# Altium PCB M5_Display - copia.PcbDoc (part 1 of 2) (continued)
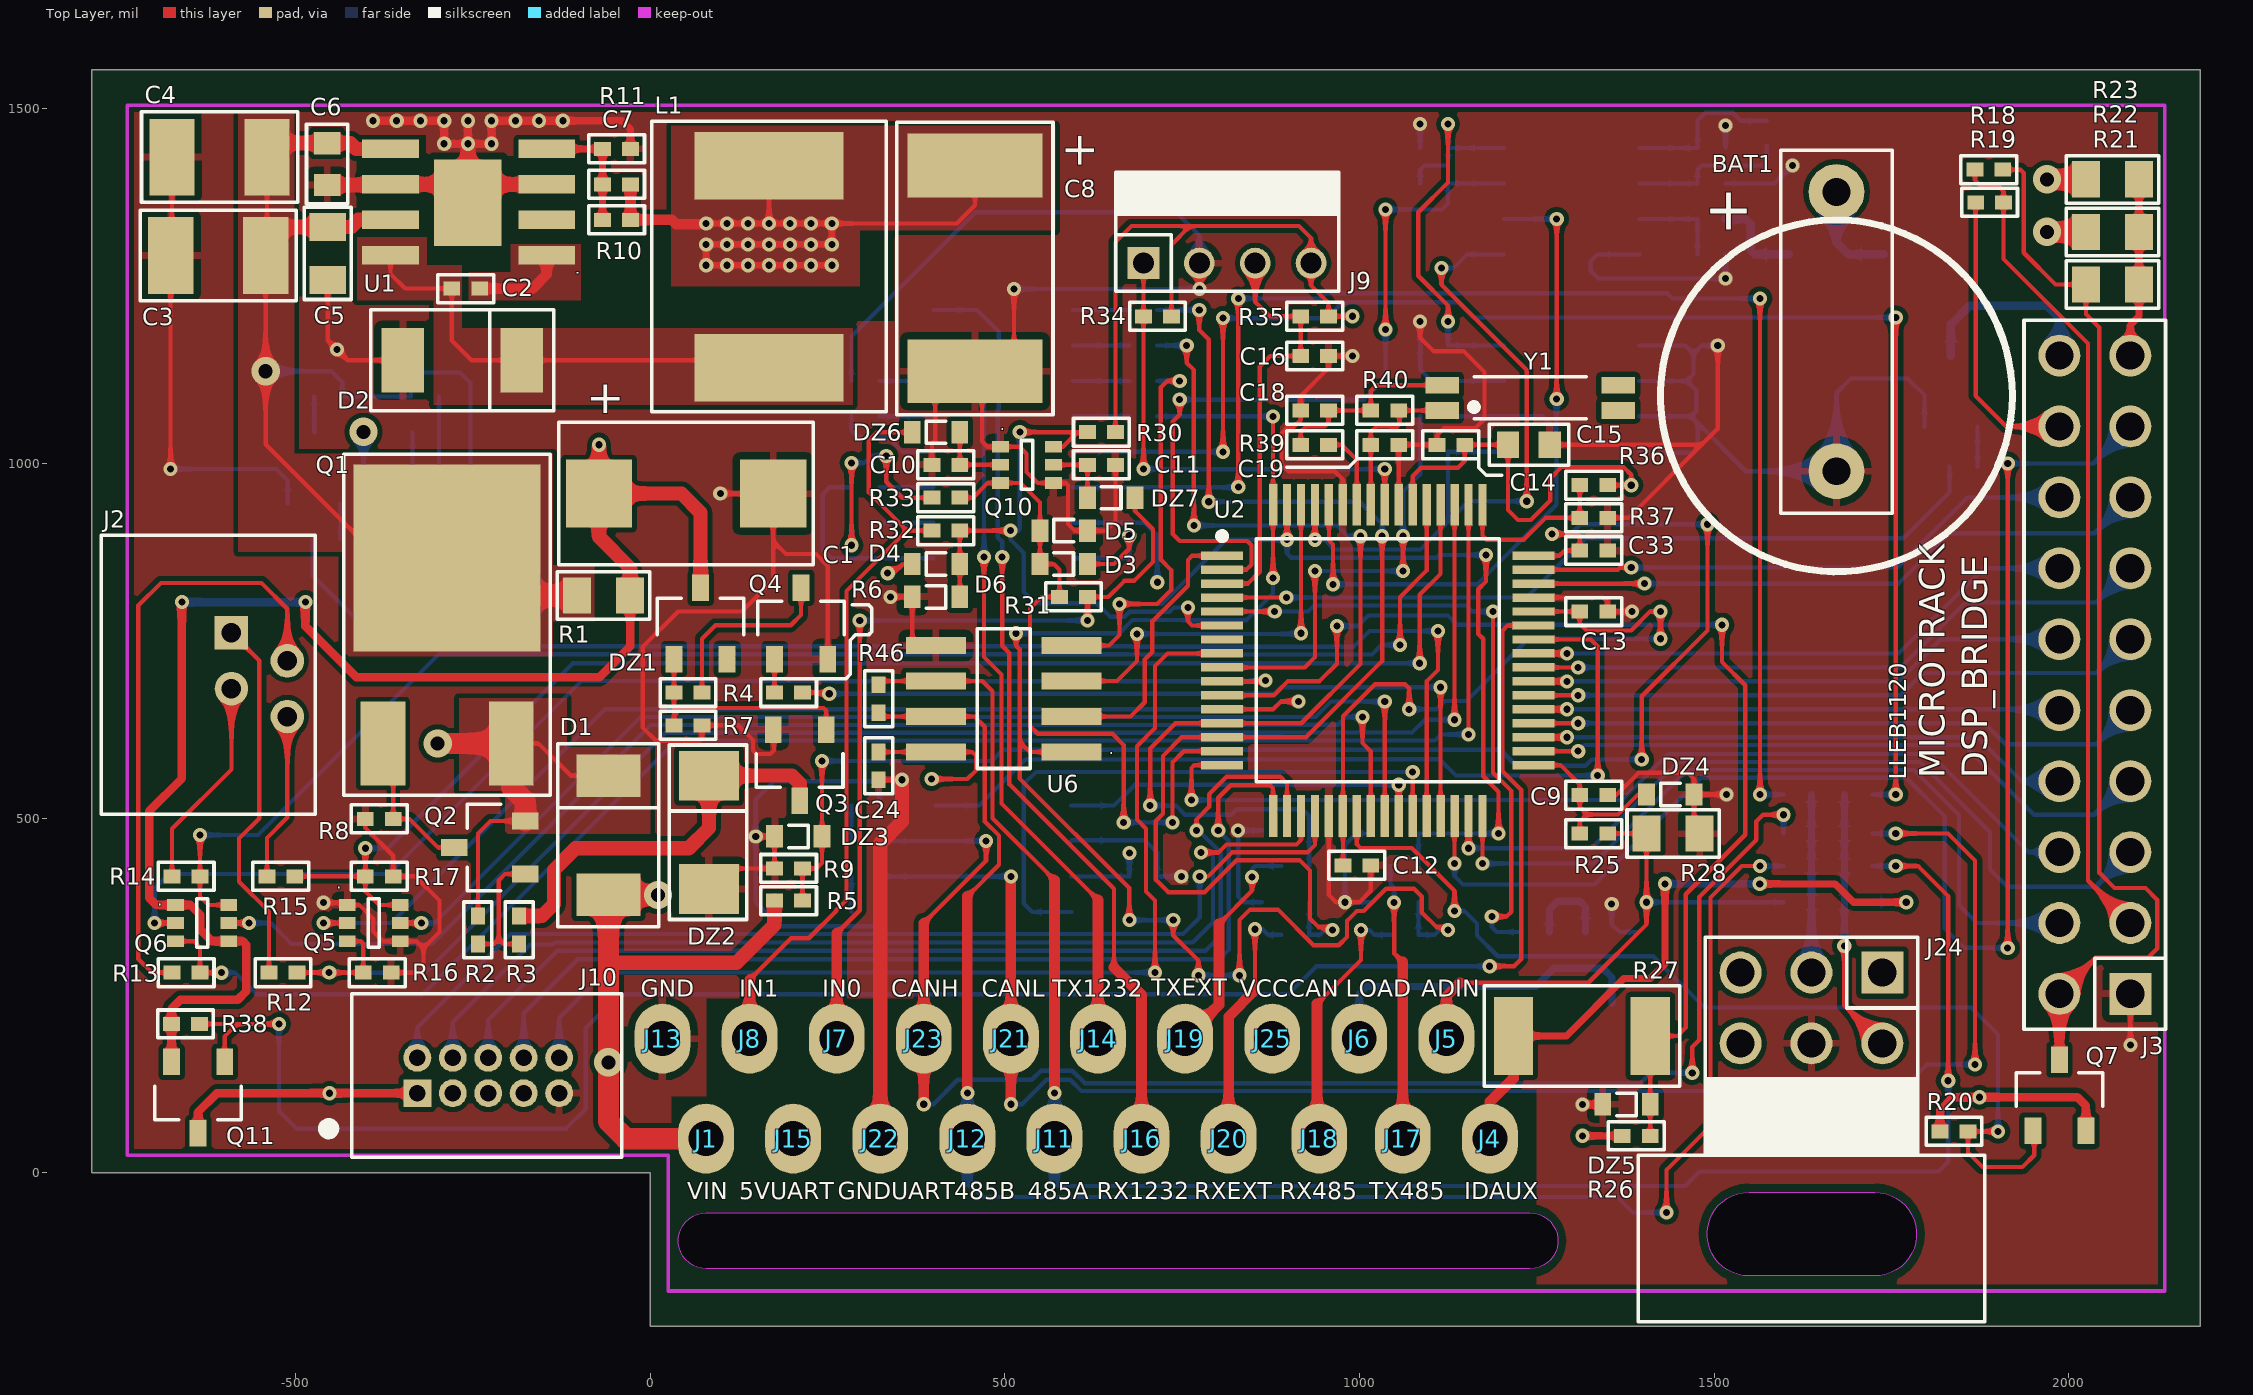
[diagram p0: Top Layer view]
## Components (designator, comment, footprint, x,y, rotation, side; value= is the part's Value field where it differs from the comment)
BAT1 "CR1220" CR1220H 1672.24,1186.02 r180 top
C1 "470uF 6.3V" 2917 50.39,957.68 r0 top
C2 "100nF" 0402 -260.19,1246.65 r180 top
C3 "10uF 63V" 1210 -609.32,1293.31 r180 top
C4 "10uF 63V" 1210 -607.35,1432.09 r180 top
C5 "68nF 63V" 0805 -454.72,1296.26 r270 top
C6 "100nF 100V" 0603 -455.71,1422.24 r270 top
C7 "1nF" 0402 -47.59,1393.65 r0 top
C8 "100uF 16V LESR" 2917P 457.68,1275.06 r270 top
C9 "1uF 6V3" 0402 1330,532.48 r0 top
C10 "100nF" 0402 416.68,998.28 r180 top
C11 "100nF" 0402 636,998.28 r0 top
C12 "100nF" 0402 996.07,433.46 r0 top
C13 "100nF" 0402 1330,791.36 r0 top
C14 "100nF" 0402 1128.6,1026.46 r180 top
C15 "10uF 6.3V" 0603 1238.6,1026.46 r0 top
C16 "1uF 6V3" 0402 936.6,1151.65 r0 top
C17 "100nF" 0402 1105,1166.54 r0 bottom
C18 "15pF 5%" 0402 936.6,1074.97 r180 top
C19 "15pF 5%" 0402 1035.44,1026.46 r0 top
C20 "100nF" 0402 1105,1444.87 r0 bottom
C21 "10pF" 0402 1496,1444.87 r0 bottom
C22 "8pF" 0402 1496,1394.87 r0 bottom
C23 "100pF 50V" 0402 1496,1294.87 r0 bottom
C24 "100nF" 0402 321.85,573.78 r270 top
C25 "100nF" 0402 695.09,866.54 r180 bottom
C26 "100nF" 0402 303.44,916.54 r0 bottom
C27 "100nF" 0402 303.44,1066.54 r0 bottom
C28 "100nF" 0402 303.44,966.54 r0 bottom
C29 "100nF" 0402 303.44,1116.54 r180 bottom
C30 "100nF" 0402 695.09,417.94 r0 bottom
C31 "560pF" 0402 303.44,517.94 r180 bottom
C32 "560pF" 0402 303.44,367.94 r180 bottom
C33 "100nF" 0402 1330,877.46 r180 top
D1 "STPS3L60U" SMBK -59.06,391.93 r90 top
D2 "STPS3L60U" SMBK -349.21,1145.67 r0 top
D3 "1N4148WT" SOD523 582.85,858.44 r0 top
D4 "1N4148WT" SOD523 402.91,858.44 r180 top
D5 "1N4148WT" SOD523 582.85,905.41 r180 top
D6 "1N4148WT" SOD523 402.91,812.01 r0 top
D7 "MBR0520L" SOD123 1672,1294.87 r180 bottom
DZ1 "4V7 1/4W" SOT23 70.87,774.61 r0 top
DZ2 "30V 2W" DO-214AC 82.68,400.2 r90 top
DZ3 "5V1 200mW" SOD523 208.66,474.41 r0 top
DZ4 "5V1 150mW" SOD523 1437.99,533.46 r180 top
DZ5 "5V1 150mW" SOD523 1376.3,96.51 r0 top
DZ6 "5V1 200mW" SOD523 402.91,1044.18 r180 top
DZ7 "5V1 200mW" SOD523 649.78,951.84 r0 top
DZ8 "5V1 200mW" SOD523 1049.4,381.53 r0 bottom
DZ9 "5V1 200mW" SOD523 1049.4,478.46 r0 bottom
DZ10 "5V1 200mW" SOD523 895.4,381.53 r0 bottom
DZ11 "5V1 200mW" SOD523 895.4,482.88 r0 bottom
J1 "VIN" PIN_CABLE#1 78.61,48.28 r270 top
J2 "2434-04-TR1U" 2434-04-TR1U -551.16,702.28 r270 top locked
J3 "2044-2x10G00RB" SIPF10_2_90 2036.61,702.28 r90 top locked
J4 "IDAUX" PIN_CABLE#1 1183.61,48.28 r270 top
J5 "ADIN" PIN_CABLE#2 876.68,189.28 r90 top
J6 "LOAD" PIN_CABLE#3 1282.61,189.28 r90 top
J7 "IN0" PIN_CABLE#4 212.61,189.28 r90 top
J8 "IN1" PIN_CABLE#5 262.79,189.28 r270 top
J9 "2111-1X4G00RB" SIP4_90_MM 813.4,1282.65 r0 top
J10 "IDC10_0.05" IDC10_0.05 -328.51,112.28 r0 top
J11 "485A" PIN_CABLE#6 1060.84,48.28 r270 top
J12 "485B" PIN_CABLE#7 1183.61,48.28 r90 top
J13 "GND" PIN_CABLE#8 876.68,189.28 r90 top
J14 "TX1232" PIN_CABLE#9 753.9,189.28 r90 top
J15 "5VUART" PIN_CABLE#1 201.39,48.28 r90 top
J16 "RX1232" PIN_CABLE#10 876.68,189.28 r90 top
J17 "TX485" PIN_CABLE#11 446.95,48.28 r90 top
J18 "RX485" PIN_CABLE#12 1549.91,48.28 r270 top
J19 "TXEXT" PIN_CABLE#13 692.5,48.28 r90 top
J20 "RXEXT" PIN_CABLE#1 815.28,48.28 r90 top
J21 "CANL" PIN_CABLE#1 508.35,189.28 r90 top
J22 "GNDUART" PIN_CABLE#1 324.17,48.28 r90 top
J23 "CANH" PIN_CABLE#1 385.57,189.28 r90 top
J24 "HEADER_2x3POS_90º_0.1\"" SIP3_2_90 1537.04,182.46 r0 top
J25 "VCCCAN" PIN_CABLE#1 876.71,189.28 r90 top
L1 "8.5uH" IHLP-3232DZ-01 167.32,1277.56 r90 top
Q1 "IRFR9220TRPBF" DPAK -376.97,605.32 r0 top
Q2 "BC807" SOT23 -226.38,458.66 r90 top
Q3 "BC846" SOT23 210.63,574.8 r180 top
Q4 "FDN337N" SOT23 212.6,774.61 r0 top
Q5 "MUN5215DW1T1G" SOT363 -389.96,352.17 r270 top
Q6 "MUN5115DW1T1G" SOT363 -631.89,352.17 r270 top
Q7 "FDN360P" SOT23 1986.61,109.46 r0 top
Q8 "FDN337N" SOT23 1833.6,1102.09 r180 bottom
Q9 "FDN337N" SOT23 1355.63,289.27 r0 bottom
Q10 "DDC115EU-7-F" SOT363 531,998.18 r270 top
Q11 "FDN360P" SOT23 -637.52,106.3 r180 top
Q12 "FDN360P" SOT23 -335.43,993.76 r180 bottom
Q13 "FDN337N" SOT23 -473.83,993.76 r180 bottom
R1 "0R" 0805 -65.94,813.98 r0 top
R2 "10K" 0402 -243.11,342.52 r90 top
R3 "4K7" 0402 -185.04,342.52 r270 top
R4 "220R" 0402 53.15,677.17 r0 top
R5 "100K 1%" 0402 194.88,383.86 r180 top
R6 "10K 1%" 0402 194.88,677.17 r180 top
R7 "10K 1%" 0402 53.15,630.91 r180 top
R8 "100K" 0402 -382.09,499.02 r0 top
R9 "10K 1%" 0402 194.88,429.13 r0 top
R10 "4K7 1%" 0402 -47.59,1343.65 r0 top
R11 "1K5 1%" 0402 -47.59,1443.65 r180 top
R12 "10R" 0402 -517.91,282.28 r180 top
R13 "10R" 0402 -654.53,282.28 r180 top
R14 "10R" 0402 -654.53,418.11 r180 top
R15 "10R" 0402 -520.87,418.11 r180 top
R16 "10K 1%" 0402 -385.04,282.28 r180 top
R17 "10K 1%" 0402 -382.09,418.11 r0 top
R18 "12K 1%" 0402 1887.13,1414.25 r0 top
R19 "3K9 1%" 0402 1888.13,1368.25 r0 top
R20 "100K" 0402 1838,58.46 r180 top
R21 "10R" 0805 2061.38,1252.46 r180 top
R22 "10R" 0805 2061.38,1326.56 r180 top
R23 "10R" 0805 2061.38,1400.65 r180 top
R24 "10K 1%" 0402 1851.31,995.46 r180 bottom
R25 "1K 1%" 0402 1330,478.35 r180 top
R26 "5K6 1%" 0402 1390.08,52.22 r180 top
R27 "470R 1W" 2010 1313.31,192.97 r180 top
R28 "47R 1/8W 1%" 0805 1441.93,478.35 r180 top
R29 "10K 1%" 0402 1247.79,339.46 r180 bottom
R30 "4K7" 0402 636,1044.18 r180 top
R31 "4K7" 0402 596.63,812.01 r180 top
R32 "4K7" 0402 416.68,905.41 r0 top
R33 "4K7" 0402 416.68,951.84 r0 top
R34 "10K 1%" 0402 714.98,1207.65 r0 top
R35 "10K 1%" 0402 936.6,1207.65 r0 top
R36 "10R" 0402 1330,969.49 r0 top
R37 "DNP" 0402 1330,923.48 r180 top
R38 "100K" 0402 -655.26,209.95 r180 top
R39 "100K" 0402 936.6,1026.46 r0 top
R40 "4M7" 0402 1035.44,1074.97 r0 top
R41 "1K 1%" 0402 1105,1066.54 r180 bottom
R42 "1K 1%" 0402 1105,1016.54 r180 bottom
R43 "10K 1%" 0402 1105,1394.87 r180 bottom
R44 "1K" 0402 1496,1344.87 r0 bottom
R45 "100R" 0402 695.09,1066.54 r180 bottom
R46 "100R" 0402 321.85,668.31 r90 top
R47 "100R" 0402 695.09,1116.54 r0 bottom
R48 "100R" 0402 695.09,1166.54 r180 bottom
R49 "100R" 0402 695.09,1216.54 r180 bottom
R50 "100R" 0402 1063.18,432.49 r0 bottom
R51 "100R" 0402 1063.18,335.53 r0 bottom
R52 "100R" 0402 909.18,432.49 r0 bottom
R53 "100R" 0402 909.18,335.53 r0 bottom
R54 "100R" 0402 303.44,467.94 r0 bottom
R55 "100R" 0402 303.44,417.94 r0 bottom
R56 "100R" 0402 1703,432.49 r0 bottom
R57 "100K 1%" 0402 -317.71,1094.57 r180 bottom
R58 "100R" 0402 1703,478.46 r0 bottom
R59 "100R" 0402 1703,533.46 r0 bottom
R60 "100K 1%" 0402 -454.14,1094.57 r0 bottom
R61 "100R" 0402 1703,381.53 r0 bottom
R62 "10K 1%" 0402 -456.11,893.57 r180 bottom
R63 "100R" 0402 1617.35,432.49 r180 bottom
R64 "100R" 0402 1617.35,478.46 r180 bottom
R65 "100R" 0402 1617.35,533.46 r180 bottom
R66 "100R" 0402 1617.35,381.53 r180 bottom
U1 "ST1S14PHR" POWERSO8 -256.19,1368.65 r0 top
U2 "MCF51AC256ACPUE" LQFP64 1025.6,722.46 r0 top
U3 "FM24C64B-G" SO8 1298.86,1091.54 r180 bottom
U4 "MCP79400-I/SN" SO8 1299,1369.87 r180 bottom
U5 "ST232CDR" SOIC16N 497.83,1041.54 r0 bottom
U6 "ST485BDR" SO8 498.03,668.5 r180 top
U7 "MCP2551" SO8 497.83,442.94 r180 bottom
Y1 "32.768KHz" FSXLF 1240.6,1092.68 r0 top
Y2 "32.768KHz" FSXLF 1697.83,1465.55 r0 bottom

## Footprints (in the part's own frame and the unit in brackets; to place one, negate y for a bottom-side part, rotate by r counter-clockwise, add the part's x,y. Pads: shape width x height; smd on the part's side, far side on the other; paste and mask are expansions set on the pad)
0402 [mm]
  rect 0.6x0.5 smd: 1(-0.5,0) 2(0.5,0)
  silkscreen extent -1,-0.5 1,0.5, body extent -0.49,-0.25 0.51,0.25, height 0.38
0603 [mm] "Chip Resistor, 2-Leads, Body 0,6\"x0,3\" - 1,6x0,9mm, IPC High Density"
  rect 0.8x0.95 smd: 1(-0.75,0) 2(0.75,0)
  silkscreen extent -1.42,-0.74 1.42,0.74, body extent -0.8,-0.41 0.8,0.39, height 0.44
0805 [mm] "Chip Resistor, 2-Leads, Body 0,8\"x0,5\" - 2,0x1,3mm, IPC High Density"
  rect 1x1.3 smd: 1(-0.95,0) 2(0.95,0)
  silkscreen extent -1.65,-0.85 1.65,0.85, body extent -1,-0.62 1,0.63, height 0.39
1210 [mil]
  rect 64x108 smd: 1(-67,0) 2(67,0)
  silkscreen extent -110,-64 110,64, body extent -64,-54 62,54, height 20
2010 [mm]
  rect 1.4x2.8 smd: 1(-2.45,0) 2(2.45,0)
  silkscreen extent -3.5,-1.8 3.5,1.8, body extent -2.51,-1.24 2.49,1.26, height 0.57
2434-04-TR1U [mm]
  rect 1.2x1.2 hole 0.7: 1(-1.5,-1)
  round 1.2 hole 0.7: 2(-0.5,1) 3(0.5,-1) 4(1.5,1)
  silkscreen extent -5,-5.67 5,2, body extent -5.09,-5.6 5.11,1, height 3.9
2917 [mm] "Capacitor, SM Tantalum; Body 7.30mm x 4.30mm"
  rect 2.37x2.43 smd: 1(-3.12,0) 2(3.12,0)
  silkscreen extent -4.56,-2.55 4.56,2.55, body extent -3.79,-2.29 3.81,2.31, height 3.11
2917P [mil]
  rect 90x190 smd: 1(-145,0) 2(145,0)
  silkscreen extent -206,-110 206,110, body extent -177,-91 177,91, height 122
CR1220H [mm]
  round 2 hole 1: 1(0,-5) 2(0,5)
  silkscreen extent -6.3,-6.5 6.3,8.6, body extent -6.25,-5.21 6.25,8.49, height 4.4
DO-214AC [mm] "DO-214AC"
  rect 1.78x2.16 smd: 1(0,0) 2(4.06,0)
  silkscreen extent -1.09,-1.36 5.16,1.42, body extent -0.57,-1.28 4.63,1.32, height 2.4
DPAK [mm]
  rect 1.6x3 smd: 1(0,0) 3(4.6,0)
  rect 6.7x6.7 smd: 2(2.3,6.65)
  silkscreen extent -1.4,-1.85 6,10.36, body extent -0.98,-0.85 5.56,9.08, height 2.36
FSXLF [mm]
  rect 1.2x0.6 smd mask+0.05: 1(-3.15,-0.45) 2(3.15,-0.45) 3(3.15,0.45) 4(-3.15,0.45)
  silkscreen extent -2.14,-0.75 2,0.75, body extent -3.45,-0.74 3.45,0.76, height 1.4
IDC10_0.05 [mm]
  rect 1x1 hole 0.6: 1(0,0)
  round 1 hole 0.6: 2(0,1.27) 3(1.27,0) 4(1.27,1.27) 5(2.54,0) 6(2.54,1.27) 7(3.81,0) 8(3.81,1.27) 9(5.08,0) 10(5.08,1.27)
  silkscreen extent -3.43,-2.3 7.33,3.57, body extent -2.27,-2.22 7.25,3.49, height 5.59
IHLP-3232DZ-01 [mil]
  rect 95x210 smd: 1(-142.5,0) 2(142.5,0)
  silkscreen extent -205,-165 205,165, body extent -157,-157 157,157, height 157
LQFP64 [mm] "TSQFP, 64-Leads, Body 12,0x12,0mm (max), Pitch 0,50mm, IPC Medium Density"
  rect 1.5x0.3 smd mask+0.08: 1(-5.575,3.75) 2(-5.575,3.25) 3(-5.575,2.75) 4(-5.575,2.25) 5(-5.575,1.75) 6(-5.575,1.25) 7(-5.575,0.75) 8(-5.575,0.25) 9(-5.575,-0.25) 10(-5.575,-0.75) 11(-5.575,-1.25) 12(-5.575,-1.75) 13(-5.575,-2.25) 14(-5.575,-2.75) 15(-5.575,-3.25) 16(-5.575,-3.75) 33(5.575,-3.75) 34(5.575,-3.25) 35(5.575,-2.75) 36(5.575,-2.25) 37(5.575,-1.75) 38(5.575,-1.25) 39(5.575,-0.75) 40(5.575,-0.25) 41(5.575,0.25) 42(5.575,0.75) 43(5.575,1.25) 44(5.575,1.75) 45(5.575,2.25) 46(5.575,2.75) 47(5.575,3.25) 48(5.575,3.75)
  rect 0.3x1.5 smd mask+0.08: 17(-3.75,-5.575) 18(-3.25,-5.575) 19(-2.75,-5.575) 20(-2.25,-5.575) 21(-1.75,-5.575) 22(-1.25,-5.575) 23(-0.75,-5.575) 24(-0.25,-5.575) 25(0.25,-5.575) 26(0.75,-5.575) 27(1.25,-5.575) 28(1.75,-5.575) 29(2.25,-5.575) 30(2.75,-5.575) 31(3.25,-5.575) 32(3.75,-5.575) 49(3.75,5.575) 50(3.25,5.575) 51(2.75,5.575) 52(2.25,5.575) 53(1.75,5.575) 54(1.25,5.575) 55(0.75,5.575) 56(0.25,5.575) 57(-0.25,5.575) 58(-0.75,5.575) 59(-1.25,5.575) 60(-1.75,5.575) 61(-2.25,5.575) 62(-2.75,5.575) 63(-3.25,5.575) 64(-3.75,5.575)
  silkscreen extent -5.7,-4.35 4.35,4.57, body extent -5.99,-5.98 6.01,6.02, height 1.6
PIN_CABLE#1 [mm]
  oval 2.5x2 hole 1.25: 1(0,0)
PIN_CABLE#2 [mm]
  oval 2.5x2 hole 1.25: 1(0,-6.238)
PIN_CABLE#3 [mm]
  oval 2.5x2 hole 1.25: 1(0,7.192)
PIN_CABLE#4 [mm]
  oval 2.5x2 hole 1.25: 1(0,-1.274)
PIN_CABLE#5 [mm]
  oval 2.5x2 hole 1.25: 1(0,-3.119)
PIN_CABLE#6 [mm]
  oval 2.5x2 hole 1.25: 1(0,-12.474)
PIN_CABLE#7 [mm]
  oval 2.5x2 hole 1.25: 1(0,18.711)
PIN_CABLE#8 [mm]
  oval 2.5x2 hole 1.25: 1(0,21.83)
PIN_CABLE#9 [mm]
  oval 2.5x2 hole 1.25: 1(0,3.118)
PIN_CABLE#10 [mm]
  oval 2.5x2 hole 1.25: 1(-3.581,4.678)
PIN_CABLE#11 [mm]
  oval 2.5x2 hole 1.25: 1(0,-15.593)
PIN_CABLE#12 [mm]
  oval 2.5x2 hole 1.25: 1(0,-15.414)
PIN_CABLE#13 [mm]
  oval 2.5x2 hole 1.25: 1(3.581,-1.56)
POWERSO8 [mil]
  rect 80x26 smd: 1(110,-75) 2(110,-25) 3(110,25) 4(110,75) 5(-110,75) 6(-110,25) 7(-110,-25) 8(-110,-75)
  rect 94.88x122.05 smd: 9(-1,-1)
  body extent -119,-99 117,98, height 69
SIP3_2_90 [mm]
  rect 1.5x1.5 hole 1.016: 1(5.08,2.54)
  round 1.5 hole 1.016: 2(5.08,0) 3(2.54,2.54) 4(2.54,0) 5(0,2.54) 6(0,0)
  silkscreen extent -3.66,-9.97 8.74,3.81, body extent -1.27,-9.91 6.35,2.97, height 5.1
SIP4_90_MM [mm]
  rect 1.15x1.15 hole 0.75: 1(-3,0)
  round 1.1 hole 0.75: 2(-1,0) 3(1,0) 4(3,0)
  silkscreen extent -4,-1.01 4,3.25, body extent -3.97,-0.27 3.98,6.98, height 2.1
SIPF10_2_90 [mm]
  rect 1.5x1.5 hole 1.016: 1(-11.43,-1.27)
  round 1.5 hole 1.016: 2(-11.43,1.27) 3(-8.89,-1.27) 4(-8.89,1.27) 5(-6.35,-1.27) 6(-6.35,1.27) 7(-3.81,-1.27) 8(-3.81,1.27) 9(-1.27,-1.27) 10(-1.27,1.27) 11(1.27,-1.27) 12(1.27,1.27) 13(3.81,-1.27) 14(3.81,1.27) 15(6.35,-1.27) 16(6.35,1.27) 17(8.89,-1.27) 18(8.89,1.27) 19(11.43,-1.27) 20(11.43,1.27)
  silkscreen extent -12.7,-2.54 12.7,2.54, body extent -12.86,-11.1 12.79,1.5, height 5
SMBK [mm]
  rect 1.52x2.3 smd: 1(0,0) 2(4.27,0)
  silkscreen extent -1.14,-1.81 5.41,1.81, body extent -0.56,-1.8 4.84,1.8, height 2.3
SO8 [mm]
  rect 2.15x0.6 smd: 1(-2.425,1.905) 2(-2.425,0.635) 3(-2.425,-0.635) 4(-2.425,-1.905) 5(2.425,-1.905) 6(2.425,-0.635) 7(2.425,0.635) 8(2.425,1.905)
  silkscreen extent -0.95,-2.5 0.95,2.5, body extent -3.01,-2.51 3.01,2.49, height 1.75
SOD123 [mm]
  rect 1.6x0.85 smd: 1(-1.7,0) 2(1.7,0)
  silkscreen extent -1.45,-0.9 1.45,0.9, body extent -1.85,-0.79 1.85,0.81, height 1.27
SOD523 [mm]
  rect 0.6x0.8 smd: 1(-0.85,0) 2(0.85,0)
  silkscreen extent -0.35,-0.4 0.35,0.4, body extent -0.91,-0.42 0.92,0.43, height 0.71
SOIC16N [mm]
  rect 1.75x0.6 smd: 1(-2.5,4.445) 2(-2.5,3.175) 3(-2.5,1.905) 4(-2.5,0.635) 5(-2.5,-0.635) 6(-2.5,-1.905) 7(-2.5,-3.175) 8(-2.5,-4.445) 9(2.5,-4.445) 10(2.5,-3.175) 11(2.5,-1.905) 12(2.5,-0.635) 13(2.5,0.635) 14(2.5,1.905) 15(2.5,3.175) 16(2.5,4.445)
  silkscreen extent -1.23,-5.2 1.22,5.2, body extent -2.92,-4.9 2.88,4.9, height 1.75
SOT23 [mm]
  rect 0.6x0.95 smd: 1(-0.95,-1.275) 2(0,1.275) 3(0.95,-1.275)
  silkscreen extent -1.55,-0.4 1.55,0.9, body extent -1.48,-1.53 1.52,1.61, height 1
SOT363 [mm]
  rect 0.42x0.6 smd mask+0.051: 1(-0.65,-0.95) 2(0,-0.95) 3(0.65,-0.95) 4(0.65,0.95) 5(0,0.95) 6(-0.65,0.95)
  silkscreen extent -0.87,-0.2 0.87,0.2, body extent -1.04,-1.15 1.06,1.15, height 1

## Part data
BAT1: library part BAT_CR1220_HORIZONTAL_SOLDABLE, "BATTERY LITHIUM 3V COIN 12.5MM"
C1: library part CAP_TAN_470uF_6.3V_2917, "CAP TANT 470UF 10% 6.3V 2917"
C2 C10 C11 C12 C13 C14 C17 C20 C24 C25 C26 C27 C28 C29 C30 C33: library part CAP0402_100nF_50V_X7R, "CAP0402 100nF 50V X7R"
C3 C4: library part CAP1210_10uF_63V_X7R, "CAP CER 10UF 63V X7R 1210"
C5: library part CAP0805_68nF_63V_X7R, "CAP CER 0805 68NF 63V X7R 10%"
C6: library part CAP0603_100nF_100V_X7R, "CAP0603 100nF 100V X7R"
C7: library part CAP0402_1nF_X7R, "CAP0402 1nF 50V X7R"
C8: library part CAP_TAN_100uF_16V_LESR_2917, "CAP TANT 100UF 16V 20% LESR 2917"
C9 C16: library part CAP0402_1uF_6V3_X7R, "CAP0402 1uF 6V3 X7R"
C15: library part CAP0603_10uF_6.3V_Y5V, "CAP0603 10uF 6.3V Y5V"
C18 C19: library part CAP0402_15pF_50V_5%_NP0, "CAP0402 15PF 50V 5% NP0"
C21: library part CAP0402_10pF_50V_NP0, "CAP CER 10PF 50V 5% NP0 0402"
C22: library part CAP0402_8pF_50V_NP0, "CAP CER 8PF 50V C0G/NP0 0402"
C23: library part CAP0402_100pF_50V_NP0, "CAP CER 100PF 50V 5% NP0 0402 / 0402"
C31 C32: library part CAP0402_560pF_NP0, "CAP0402 560pF 50V NP0"
D1 D2: library part DIO_STKY_STPS3L60U, "DIODE SCHOTTKY 3A 60V SMB"
D3 D4 D5 D6: library part 1N4148_SOD523, "DIODE SWITCHING 80V 125MA SOD523"
D7: library part DIO_STKY_MBR0520L, "DIODE SCHOTTKY 0.5A 20V SOD-123"
DZ1: library part DIO_ZEN_4V7_SOT23, "DIODE ZENER 4.7V 250MW SOT23"
DZ2: library part DIO_ZEN_30V_DO-214AC, "DIODE ZENER 30V 2W DO214AC"
DZ3 DZ6 DZ7 DZ8 DZ9 DZ10 DZ11: library part DIO_ZEN_5V1_200mW_SOD523, "DIODE ZENER 5.1V 200MW SOD523F"
DZ4 DZ5: library part DIO_ZEN_5V1_SOD523, "DIODE ZENER 5.1V 150MW SSMINI2 SOD523"
J1 J4 J5 J6 J7 J8 J11 J12 J13 J14 J15 J16 J17 J18 J19 J20 J21 J22 J23 J25: library part PIN_1_CABLE_1mm, "PIN PARA SOLDAR CABLE 1MM"
J2: library part OUPIIN_2434-04-TR1U, "2434 Series FFC/FPC Connector 1.0mm (0.039”) ZIF Type Rigth Angle - 4PIN TOP Contact"
J3: library part RECEPTACLE_2x10POS_90, "PCB Socket 2.54mmX2.54mm (0.100\" x 0.100\") 2x10POS RIGHT ANGLE"
J9: library part HEADER_4POS_90º_2MM, "PIN HEADER 2.00mm 4POS RIGHT ANGLE"
J10: "CONN HEADER VERT 10POS 1.27MM"
J24: "TIRA PINES MACHO 2X3 0,1'' 90º"
L1: library part IND_PWR_8.5uH_IHLP3232DZ01, "INDUCTOR POWER 8.2UH 5.5A SMD"
Q1: library part IRFR9220_DPAK, "MOSFET P-CH 200V 3.6A DPAK"
Q2: library part BC807_SOT23, "TRANSISTOR PNP 500MA 45V SOT323"
Q3: library part BC846_SOT23, "TRANSISTOR NPN 65V 0.1A SOT23"
Q4 Q8 Q9 Q13: library part FDN337N_SOT23, "MOSFET N-CH 30V 2.2A SSOT3"
Q5: library part MUN5215DW1_SOT363, "TRANS BRT NPN DUAL 50V SOT-363 Rb=10K Rbe >>"
Q6: library part MUN5115DW1_SOT363, "TRANS BRT PNP DUAL 50V SOT-363 Rb=10K Rbe >>"
Q7 Q11 Q12: library part FDN360P_SOT23, "MOSFET P 30V 2A SSOT3"
Q10: library part DDC115EU-7-F_SOT363, "TRANS BRT NPN DUAL 50V SOT-363 Rb=100K Rbe=100K"
R1: library part RES0805_0R_5%, "RES0805 0R 5%"
R2: library part RES0402_10K_5%, "RES0402 10K 5%"
R3 R30 R31 R32 R33: library part RES0402_4K7_5%, "RES0402 4K7 5%"
R4: library part RES0402_220R_5%, "RES0402 220R 5%"
R5 R57 R60: library part RES0402_100K_1%, "RES0402 100K 1%"
R6 R7 R9 R16 R17 R24 R29 R34 R35 R43 R62: library part RES0402_10K_1%, "RES0402 10K 1%"
R8 R20 R38 R39: library part RES0402_100K_5%, "RES0402 100K 5%"
R10: library part RES0402_4K7_1%, "RES0402 4K7 1%"
R11: library part RES0402_1K5_1%, "RES0402 1K5 1%"
R12 R13 R14 R15 R36: library part RES0402_10R_5%, "RES0402 10R 5%"
R18: library part RES0402_12K_1%, "RES0402 12K 1%"
R19: library part RES0402_3K9_1%, "RES0402 3K9 1%"
R21 R22 R23: library part RES0805_10R_5%, "RES0805 10R 5%"
R25 R41 R42: library part RES0402_1K_1%, "RES0402 1K 1%"
R26: library part RES0402_5K6_1%, "RES0402 5K6 1%"
R27: library part RES2010_470R_1W_5%, "RES2010 470R 1W 5%"
R28: library part RES0805_47R_1%, "RES0805 47R 1%"
R37: library part RES0402_DNP, "RES0402 DNP"
R40: library part RES0402_4M7_5%, "RES0402 4M7 5%"
R44: library part RES0402_1K_5%, "RES0402 1K 5%"
R45 R46 R47 R48 R49 R50 R51 R52 R53 R54 R55 R56 R58 R59 R61 R63 R64 R65 R66: library part RES0402_100R_5%, "RES0402 100R 5%"
U1: library part ST1S14_POWERSO8, "IC BUCK ADJ 3A 8HSOP"
U2: library part MCF51AC256ACPUE_LQFP64, "MCU 32BIT 256K FLASH CAN 64-LQFP"
U3: library part FM24C64B_SO8, "IC FRAM 64KBIT 1MHZ 8SOIC"
U4: library part MCP79400_SO8, "IC RTCC 64B SRAM 8SOIC"
U5: library part ST232_SOIC16N, "IC DRVR/RCVR RS232 5V 16-SOIC"
U6: library part ST485_SO8, "IC TXRX 5V RS485/422 LP 8-SOIC"
U7: library part MCP2551_SO8, "High-Speed CAN Transceiver"
Y1 Y2: library part XTAL_32768_FSXLF, "CRYSTAL 32.768KHZ 12.5PF SMD"

## Via types
v1: diameter 20, hole 10, Top Layer to Bottom Layer, tented both sides, 212 vias
v2: diameter 40, hole 20, Top Layer to Bottom Layer, tented both sides, 7 vias

## Nets (pads, with @x,y where several pads share a name; then routed paths per layer and width w, separated by ;. In a path a pad name is that pad's centre, name@x,y a point inside that pad or via, vN(x,y) a via of type N, cw(c..) or ccw(c..) an arc to the next point about the centre after c; other vN are vias at no path point)
1WP: J4.1 R27.2 R61.2 | length 926
  Top Layer w10: R27.2@1216.86,192.97 1291.52,192.97 1372.37,273.81 1409.77,273.81 1430.56,294.6 v1(1430.56,407.5) ; v1(1564.05,407.5) 1670.26,407.5 1696.23,381.53 v1(1770.67,381.53)
  Top Layer w15: J4.1@1183.61,48.28 1183.61,99.95 1216.86,133.19 R27.2@1216.86,192.97
  Bottom Layer w10: v1(1430.56,407.5) v1(1564.05,407.5) ; R61.2@1722.69,381.53 v1(1770.67,381.53)
5V_SW_MCU: Q11.1 R38.1 U2.43 | length 2744.3
  Top Layer w6: R38.1@-635.58,209.95 -582.43,209.95 ; Q11.1@-600.12,156.5 -600.12,192.26 -582.43,209.95 ; v1(-523.37,209.95) -582.43,209.95 ; v1(1183.32,291.34) 1217.78,291.34 1227.68,301.24 1227.68,540.03 1201.04,566.68 1201.04,764.09 1208.63,771.68 U2.43@1245.09,771.68
  Bottom Layer w6: v1(-523.37,209.95) -523.37,86.92 -498.77,62.32 -118.66,62.32 -91.1,89.87 -91.1,204.24 -43.37,251.97 899.61,251.97 938.98,291.34 v1(1183.32,291.34)
+5V: C1.1 C7.2 C8.1 C12.1 C13.1 C14.1 C15.1 C17.2 C20.2 C24.1 C25.2 C26.1 C30.1 D3.2 D4.2 DZ1.2 J9.4 L1.2 Q6.1 Q6.4 Q7.3 Q11.3 R1.2 R10.2 R20.2 R26.2 R30.1 R33.1 R34.2 R35.2 R36.2 R38.2 R43.2 U2.22 U2.44 U2.54 U3.8 U4.8 U5.16 U6.8 U7.3 | length 7528.9
  Top Layer w6: v1@77.76,1337.6 v1(78.74,1338.58) v1(108.27,1338.58) v1(137.8,1338.58) v1(167.32,1338.58) ; L1.2@167.32,1420.06 v1(167.32,1338.58) ; v1(255.91,1279.53) v1(226.38,1279.53) v1(196.85,1279.53) v1(167.32,1279.53) v1(137.8,1279.53) v1(108.27,1279.53) v1(78.74,1279.53) v1(78.74,1309.06) v1(108.27,1309.06) v1(137.8,1309.06) v1(167.32,1309.06) v1(196.85,1309.06) v1(226.38,1309.06) v1(255.91,1309.06) v1(255.91,1338.58) ; v1(283.76,884.84) v1@283.76,1000.69 ; C24.1@321.85,593.46 321.89,593.5 U6.8@402.56,593.5 453.74,593.5 459.65,587.6 459.65,567.91 446.85,555.12 v1(396.65,555.12) ; v1(332.68,1010.83) 332.68,974.41 355.24,951.84 R33.1@397,951.84 ; v1(334.65,845.47) 343.5,845.47 356.47,858.44 D4.2@369.44,858.44 ; C8.1@457.68,1420.06 457.68,1364.17 432.09,1338.58 v1(255.91,1338.58) ; D3.2@616.31,858.44 653.72,858.44 675.2,879.92 v1(675.2,898.62) ; R30.1@655.68,1044.18 655.68,1312.18 678.46,1334.95 761.07,1334.95 ; R34.2@734.66,1207.65 734.66,1308.54 761.07,1334.95 ; C12.1@976.39,433.46 U2.22@976.39,502.98 976.39,643.71 1021.65,688.98 1063.98,688.98 1069.88,683.07 v1(1069.88,653.54) ; v1(990.14,1207.65) R35.2@956.28,1207.65 956.28,1226.36 931.51,1251.13 J9.4@931.51,1282.65 931.51,1318.06 914.62,1334.95 761.07,1334.95 ; U2.54@1074.81,941.95 1074.81,982.29 1086.61,994.09 1138.78,994.09 1148.28,1003.6 C14.1@1148.28,1026.46 C15.1@1209.07,1026.46 1209.07,934.63 1223.43,920.28 1241.14,920.28 1268.7,947.83 1268.7,979.33 1284.45,995.08 1372.05,995.08 1382.87,984.25 v1(1382.87,969.49) R36.2@1349.68,969.49 ; v1(1124.68,1200.39) 1124.68,1222.76 1082.68,1264.76 1082.68,1354.33 1124.68,1396.34 v1(1124.68,1478.73) ; U2.44@1245.09,791.36 C13.1@1310.31,791.36 1310.31,774.33 1319.88,764.76 1382.87,764.76 1409.45,791.34 v1(1424.21,791.34) v1(1424.21,752.95) ; v1(167.32,1338.58) v1(196.85,1338.58) v1(226.38,1338.58) v1(255.91,1338.58)
  Top Layer w10: v1(1314.3,52.22) R26.2@1370.4,52.22
  Top Layer w12: Q11.3@-674.92,156.5 -674.92,209.93 -674.95,231.55 -662.4,244.09 -581.69,244.09 -569.88,255.91 -569.88,321.85 -574.61,326.57 Q6.4@-594.49,326.57 -618.05,326.57 -634.84,343.37 -634.84,364.17 -648.43,377.76 Q6.1@-669.29,377.76 -696.65,377.76 -706.69,387.8 -706.69,509.84 -660.43,556.1 v1(-660.43,804.63) ; v1(-486.22,804.63) -486.22,770.67 -414.37,698.82 -71.85,698.82 -28.54,742.13 R1.2@-28.54,813.98 ; R20.2@1818.31,58.46 1818.31,88.06 1836.86,106.61 v1(1874.02,106.61) 2012.06,106.61 2024.02,94.65 Q7.3@2024.02,59.27
  Top Layer w15: C7.2@-27.91,1393.65 R10.2@-27.91,1343.65 30.36,1343.65 36.42,1337.6 v1@77.76,1337.6
  Top Layer w20: v1@-72.44,1025.98 C1.1@-72.44,957.68 ; R1.2@-28.54,813.98 -28.54,852.92 -72.44,896.82 C1.1@-72.44,957.68 ; DZ1.2@70.87,824.8 70.87,930.67 43.86,957.68 C1.1@-72.44,957.68
  Bottom Layer w6: v1(283.76,884.84) C26.1@283.76,916.54 ; v1(283.76,1000.98) 301.18,1000.98 311.02,1010.83 v1(332.68,1010.83) ; U7.3@593.3,417.94 C30.1@675.4,417.94 v1@675.4,450.01 ; U5.16@596.25,866.54 C25.2@675.4,866.54 675.4,898.42 v1(675.2,898.62) ; v1(1069.88,653.54) 1108.27,653.54 1120.08,665.35 1150.59,665.35 1238.19,752.95 v1(1424.21,752.95) ; R43.2@1085.31,1394.87 1085.31,1414.06 1091.54,1420.28 1121.06,1420.28 1124.68,1423.9 C20.2@1124.68,1444.87 ; v1(1124.68,1200.39) C17.2@1124.68,1166.54 U3.8@1203.39,1166.54 ; v1(1124.68,1478.73) C20.2@1124.68,1444.87 ; U4.8@1203.53,1444.87 C20.2@1124.68,1444.87
  Bottom Layer w12: v1(-660.43,804.63) v1(-486.22,804.63)
  other v1: 675.4,450.79 -72.44,1026.57
+5V_LCD: J3.2 Q7.2 R18.2 R21.2 | length 1510.3
  Top Layer w6: R18.2@1906.82,1414.25 1931.6,1414.25 1936.34,1409.5 1936.34,1297.3 1981.18,1252.46 R21.2@2023.97,1252.46 2023.97,1210.65 2042.64,1191.98 2042.64,423.28 2064.3,401.63 2107.81,401.63 2124.54,384.9 2124.54,316.2 2111.54,303.2 2037.54,303.2 J3.2@1986.61,252.28
  Top Layer w12: Q7.2@1986.61,159.66 J3.2@1986.61,252.28
+5V_SW: J10.1 J15.1 Q11.2 | length 1092
  Top Layer w12: Q11.2@-637.52,56.1 -637.52,85.91 -611.14,112.28 v1(-452.15,112.28) J10.1@-328.51,112.28
  PWRS w15: v1(-452.15,112.28) -452.15,86.67 -427.55,62.06 -42.7,62.06 14.33,119.09 130.58,119.09 J15.1@201.39,48.28
ADTOUCH1: Q5.3 R12.1 R16.2 U2.51 | length 2195.8
  Top Layer w6: R12.1@-498.23,282.28 v1(-452.76,282.28) R16.2@-404.72,282.28 -404.72,323.03 -408.27,326.57 Q5.3@-427.36,326.57 ; v1(1133.87,638.83) U2.51@1133.87,941.95
  Bottom Layer w6: v1(-452.76,282.28) -317.13,282.28 21.16,620.57 891.45,620.57 891.6,620.72 1073.99,620.72 1092.11,638.83 v1(1133.87,638.83)
ADTOUCH2: Q5.6 R15.1 R17.1 U2.52 | length 2049.5
  Top Layer w6: R15.1@-501.18,418.11 R17.1@-401.77,418.11 ; v1(-401.77,457.68) R17.1@-401.77,418.11 ; Q5.6@-352.56,377.76 -382.68,377.76 -401.77,396.85 R17.1@-401.77,418.11 ; v1@1084.65,716.54 v1(1084.65,718.5) 1084.65,814.96 1114.18,844.5 U2.52@1114.18,941.95
  Bottom Layer w6: v1(-401.77,457.68) -370.08,457.68 -109.25,718.5 v1(1084.65,718.5)
ADTOUCH3: Q6.6 R14.1 U2.53 | length 2148.7
  Top Layer w6: v1(-634.84,476.38) R14.1@-634.84,418.11 -634.84,389.76 -622.83,377.76 Q6.6@-594.49,377.76 ; v1(1057.09,744.09) 1056.81,744.37 1056.81,811.47 1094.5,849.15 U2.53@1094.5,941.95
  Bottom Layer w6: v1(-634.84,476.38) -552.89,476.38 -297.96,731.3 673.63,731.3 674.05,730.88 1017.3,730.88 1030.51,744.09 v1(1057.09,744.09)
ADTOUCH4: Q6.3 R13.1 U2.50 | length 2351.7
  Top Layer w6: Q6.3@-669.29,326.57 -643.5,326.57 -634.84,317.91 R13.1@-634.84,282.28 ; R13.1@-634.81,282.25 v1(-604.54,282.25) ; v1(1153.55,618.17) U2.50@1153.55,941.95
  Bottom Layer w6: v1(-604.54,282.25) -585.39,282.25 -555.12,251.98 -324.82,251.98 -322.83,250 36.73,609.57 896.01,609.57 896.16,609.72 1106.04,609.72 1114.49,618.17 v1(1153.55,618.17)
BKGD: J9.1 R34.1 U2.56 | length 680.8
  Top Layer w6: v1(695.29,992.13) R34.1@695.29,1207.65 J9.1@695.29,1282.65 ; U2.56@1035.44,941.95 v1(1035.44,992.13)
  Bottom Layer w6: v1(695.29,992.13) v1(1035.44,992.13)
CANH: J23.1 R54.2 R64.2 U7.7 | length 2134.8
  Top Layer w6: 385.57,352.1 473.43,439.96 v1(473.43,467.94) ; v1(1468.94,141.06) 1468.94,177.47 1478.78,187.32 1478.78,389.09 1559.19,469.49 1559.19,495.21 1568.9,504.92 v1(1597.67,504.92)
  Top Layer w15: v1@385.57,96.8 J23.1@385.57,189.28 385.57,352.1
  Bottom Layer w6: R54.2@323.13,467.94 U7.7@402.35,467.94 v1(473.43,467.94) ; v1(385.53,96.76) 399.06,96.76 433.51,131.21 537.84,131.21 550.63,144.01 594.93,144.01 612.64,126.29 1396.11,126.29 1410.87,141.06 v1(1468.94,141.06) ; R64.2@1597.67,478.46 v1(1597.67,504.92)
CANL: J21.1 R55.2 R58.2 U7.6 | length 2350.2
  Top Layer w6: v1(1755.88,478.44) 1829.39,478.44 1867.56,440.27 v1(1867.56,152.87)
  Top Layer w15: v1(508.31,96.76) J21.1@508.35,189.28 v1(508.35,417.94)
  Bottom Layer w6: R55.2@323.13,417.94 U7.6@402.35,417.94 v1(508.35,417.94) ; v1(508.31,96.76) 524.06,96.76 558.51,131.21 591.97,131.21 607.72,115.46 607.91,115.46 608.09,115.29 1762.08,115.29 1799.65,152.87 v1(1867.56,152.87) ; R58.2@1722.69,478.46 v1@1755.85,478.46
GND: BAT1.2 C1.2 C3.2 C4.2 C5.2 C6.2 C8.2 C9.2 C10.2 C11.2 C12.2 C13.2 C14.2 C15.2 C16.2 C17.1 C18.2 C19.2 C20.1 C21.2 C22.2 C23.2 C24.2 C25.1 C29.2 C30.2 C31.1 C32.1 C33.1 D2.1 D5.1 D6.1 DZ2.1 DZ3.1 DZ4.1 DZ5.1 DZ8.1 DZ9.1 DZ10.1 DZ11.1 J3.1 J9.2 J10.9 J13.1 J22.1 J24.4 Q3.3 Q4.3 Q5.1 Q5.4 Q8.3 Q9.3 Q10.1 Q10.4 Q13.3 R7.1 R8.1 R9.1 R11.1 R16.1 R17.2 R28.1 R37.1 U1.3 U1.6 U1.9 U2.21 U2.45 U2.55 U2.59 U3.1 U3.2 U3.3 U3.4 U3.7 U4.4 U5.15 U6.5 U7.2 | length 10976.4
  Top Layer w6: v1(-676.32,992.43) C3.2@-676.32,1293.31 -674.35,1295.28 C4.2@-674.35,1432.09 ; v1(-460.61,380.92) -436.04,380.92 -430.12,375 Q5.1@-427.36,377.76 -410.24,377.76 -390.75,358.27 -390.75,340.55 -376.77,326.57 Q5.4@-352.56,326.57 -329.53,326.57 -319.88,316.93 ; C5.2@-454.72,1258.86 -454.72,1173.78 v1(-441.68,1160.74) -426.61,1145.67 D2.1@-349.21,1145.67 ; R8.1@-401.77,499.02 -401.77,486.42 -362.4,447.05 R17.2@-362.4,418.11 -331.5,418.11 -297.24,383.86 -297.24,339.57 -319.88,316.93 ; U1.6@-367.13,1392.72 U1.6@-366.19,1393.65 ; R16.1@-365.35,282.28 -325,282.28 -319.88,287.4 -319.88,316.93 ; U1.9@-283.19,1393.65 U1.9@-257.19,1367.65 U1.9@-231.19,1393.65 ; DZ2.1@82.68,400.2 111.61,429.13 R9.1@175.2,429.13 DZ3.1@175.2,474.41 v1(148.62,474.41) ; v1(98.67,957.98) 98.98,957.68 C1.2@173.23,957.68 173.23,890.32 ; Q3.3@173.23,625 174.21,624.02 174.21,595.47 169.29,590.55 149.61,590.55 144.68,595.47 144.68,610.24 124.02,630.91 R7.1@72.83,630.91 72.83,612.2 69.88,609.25 7.87,609.25 -10.83,627.95 -10.83,741.14 39.37,791.34 128.94,791.34 173.23,835.63 173.23,890.32 ; Q4.3@250,724.41 250,855.87 233.52,872.35 191.19,872.35 173.23,890.32 ; C24.2@321.85,554.09 354.56,554.09 v1(354.65,554.19) ; v1(338.58,812.01) D6.1@369.44,812.01 U6.5@369.44,752.18 ; C10.2@397,998.28 397,1027.91 401.57,1032.48 401.57,1115.16 416.48,1130.06 C8.2@457.68,1130.06 C8.2@467.52,1120.22 ; v1(512.8,1246.06) 512.8,1165.49 C8.2@467.52,1120.22 ; C11.2@655.68,998.28 655.68,918.54 642.55,905.41 D5.1@616.31,905.41 598.1,905.41 588.83,914.68 588.83,969.8 586.04,972.59 Q10.4@568.4,972.59 546.11,972.59 530.51,988.19 530.51,1013.78 520.52,1023.77 Q10.1@493.6,1023.77 475.24,1023.77 467.52,1031.5 C8.2@467.52,1120.22 ; v1(774.03,1246.06) J9.2@774.03,1282.65 ; U2.21@956.7,502.98 956.57,502.85 956.57,391.85 966.9,381.53 v1(979.33,381.53) 999.64,381.53 1015.76,397.65 C12.2@1015.76,433.46 ; U2.59@976.39,941.95 976.39,977.35 964.57,989.17 899.61,989.17 889.76,999.02 889.76,1042.32 898.62,1051.18 906.5,1051.18 916.91,1061.6 C18.2@916.91,1074.97 916.91,1095.12 956.28,1134.49 C16.2@956.28,1151.65 v1(990.14,1151.65) ; U2.55@1055.13,941.95 C19.2@1055.13,1026.46 C14.2@1108.91,1026.46 1108.91,1040.02 1119.09,1050.2 1163.39,1050.2 1176.18,1062.99 1176.18,1128.94 1146.65,1158.46 1104.33,1158.46 1085.31,1177.48 v1(1085.31,1200.39) ; U2.45@1245.09,811.05 1343.48,811.05 1349.68,804.84 C13.2@1349.68,791.36 v1(1383.86,791.34) ; C15.2@1268.13,1026.46 1482.17,1026.46 ; C9.2@1349.68,532.48 1361.48,532.48 1392.98,563.98 1462.92,563.98 1471.46,555.44 DZ4.1@1471.46,533.46 ; R37.1@1349.68,923.48 1379.16,923.48 1482.17,1026.46 ; R28.1@1479.33,478.35 1471.46,486.22 DZ4.1@1471.46,533.46 ; v1(1504.92,1166.34) 1504.92,1049.21 1482.17,1026.46 ; v1(1517.05,533.46) DZ4.1@1471.46,533.46 ; v1(2086.61,180.12) J3.1@2086.61,252.28
  Top Layer w10: v1(-391.05,1483.32) v1(-357.58,1483.32) v1(-324.12,1483.32) v1(-290.65,1483.32) v1(-290.65,1450.84) v1(-257.19,1450.84) ; v1(-257.19,1483.32) v1(-257.19,1450.84) ; R11.1@-27.91,1443.65 -27.91,1471.56 -39.67,1483.32 v1(-123.33,1483.32) v1(-156.8,1483.32) v1(-190.26,1483.32) v1(-223.72,1483.32) v1(-223.72,1450.84) v1(-257.19,1450.84) ; v1(1314.3,96.51) DZ5.1@1342.84,96.51
  Top Layer w20: C6.2@-455.71,1392.72 U1.6@-367.13,1392.72 ; U1.6@-366.19,1393.65 U1.9@-283.19,1393.65 ; U1.9@-257.19,1367.65 v1(-257.19,1450.84) ; U1.9@-231.19,1393.65 U1.3@-146.19,1393.65 ; J22.1@324.17,48.28 324.17,464.79 354.65,495.27 v1(354.65,554.19)
  Bottom Layer w6: v1(-676.32,992.43) -527.31,992.43 -511.23,976.35 Q13.3@-511.23,943.57 ; C29.2@283.76,1116.54 283.76,1179.43 458.66,1354.33 741.14,1354.33 774.03,1321.44 J9.2@774.03,1282.65 ; C32.1@323.13,367.94 323.13,352.39 318.41,347.67 182.23,347.67 148.62,381.28 v1(148.62,474.41) 148.62,526.31 174.53,552.22 311.34,552.22 323.13,540.44 C31.1@323.13,517.94 ; v1(512.8,1246.06) v1(774.03,1246.06) ; U7.2@593.3,467.94 594.14,468.79 697.55,468.79 714.77,451.57 C30.2@714.77,417.94 v1(748.63,417.94) ; U5.15@596.25,916.54 596.34,916.62 696.57,916.62 714.77,898.42 C25.1@714.77,866.54 v1(714.77,832.68) ; DZ10.1@861.94,381.53 836.98,381.53 828.74,389.76 v1(828.74,482.88) DZ11.1@861.94,482.88 ; v1(979.33,381.53) DZ8.1@1015.94,381.53 ; v1@979.33,385.46 979.33,462.6 995.2,478.46 DZ9.1@1015.94,478.46 ; v1(1085.31,1200.39) C17.1@1085.31,1166.54 1085.31,1132.76 1101.54,1116.54 U3.7@1203.39,1116.54 ; C20.1@1085.31,1444.87 v1(1085.31,1478.73) ; v1(1355.31,378.94) 1355.31,350.39 1366.24,339.46 Q9.3@1393.04,339.46 ; U3.4@1394.33,1016.54 1395.8,1015.07 1467.77,1015.07 1476.63,1023.93 1476.63,1056.98 ; U3.3@1394.33,1066.54 1467.07,1066.54 ; U3.2@1394.33,1116.54 1460.96,1116.54 ; U3.1@1394.33,1166.54 1459.02,1166.54 1470.72,1154.83 ; U4.4@1394.47,1294.87 1335.23,1294.87 1325.79,1285.43 1325.79,1271.65 1336.43,1261.02 v1(1515.68,1261.02) C23.2@1515.68,1294.87 ; v1(1504.92,1166.34) 1482.22,1166.34 1470.72,1154.83 ; C22.2@1515.68,1394.87 1584.83,1394.87 v1(1610.24,1420.28) ; C21.2@1515.68,1444.87 1515.68,1477.3 1515.82,1477.16 v1(1515.82,1476.45) ; Q8.3@1796.2,1051.89 1796.2,1096.52 1772.64,1120.08 1692.91,1120.08 1672,1099.17 1672.24,1098.92 BAT1.2@1672.24,989.17 1544.43,989.17 1476.63,1056.98 ; 1460.96,1116.54 1470.72,1126.29 1470.72,1154.83 ; 1460.96,1116.54 1474.66,1102.84 1474.66,1074.13 1467.07,1066.54 ; 1467.07,1066.54 1476.63,1056.98